# KiCad board arena_10_of_10_v1r1.kicad_pcb (continued)
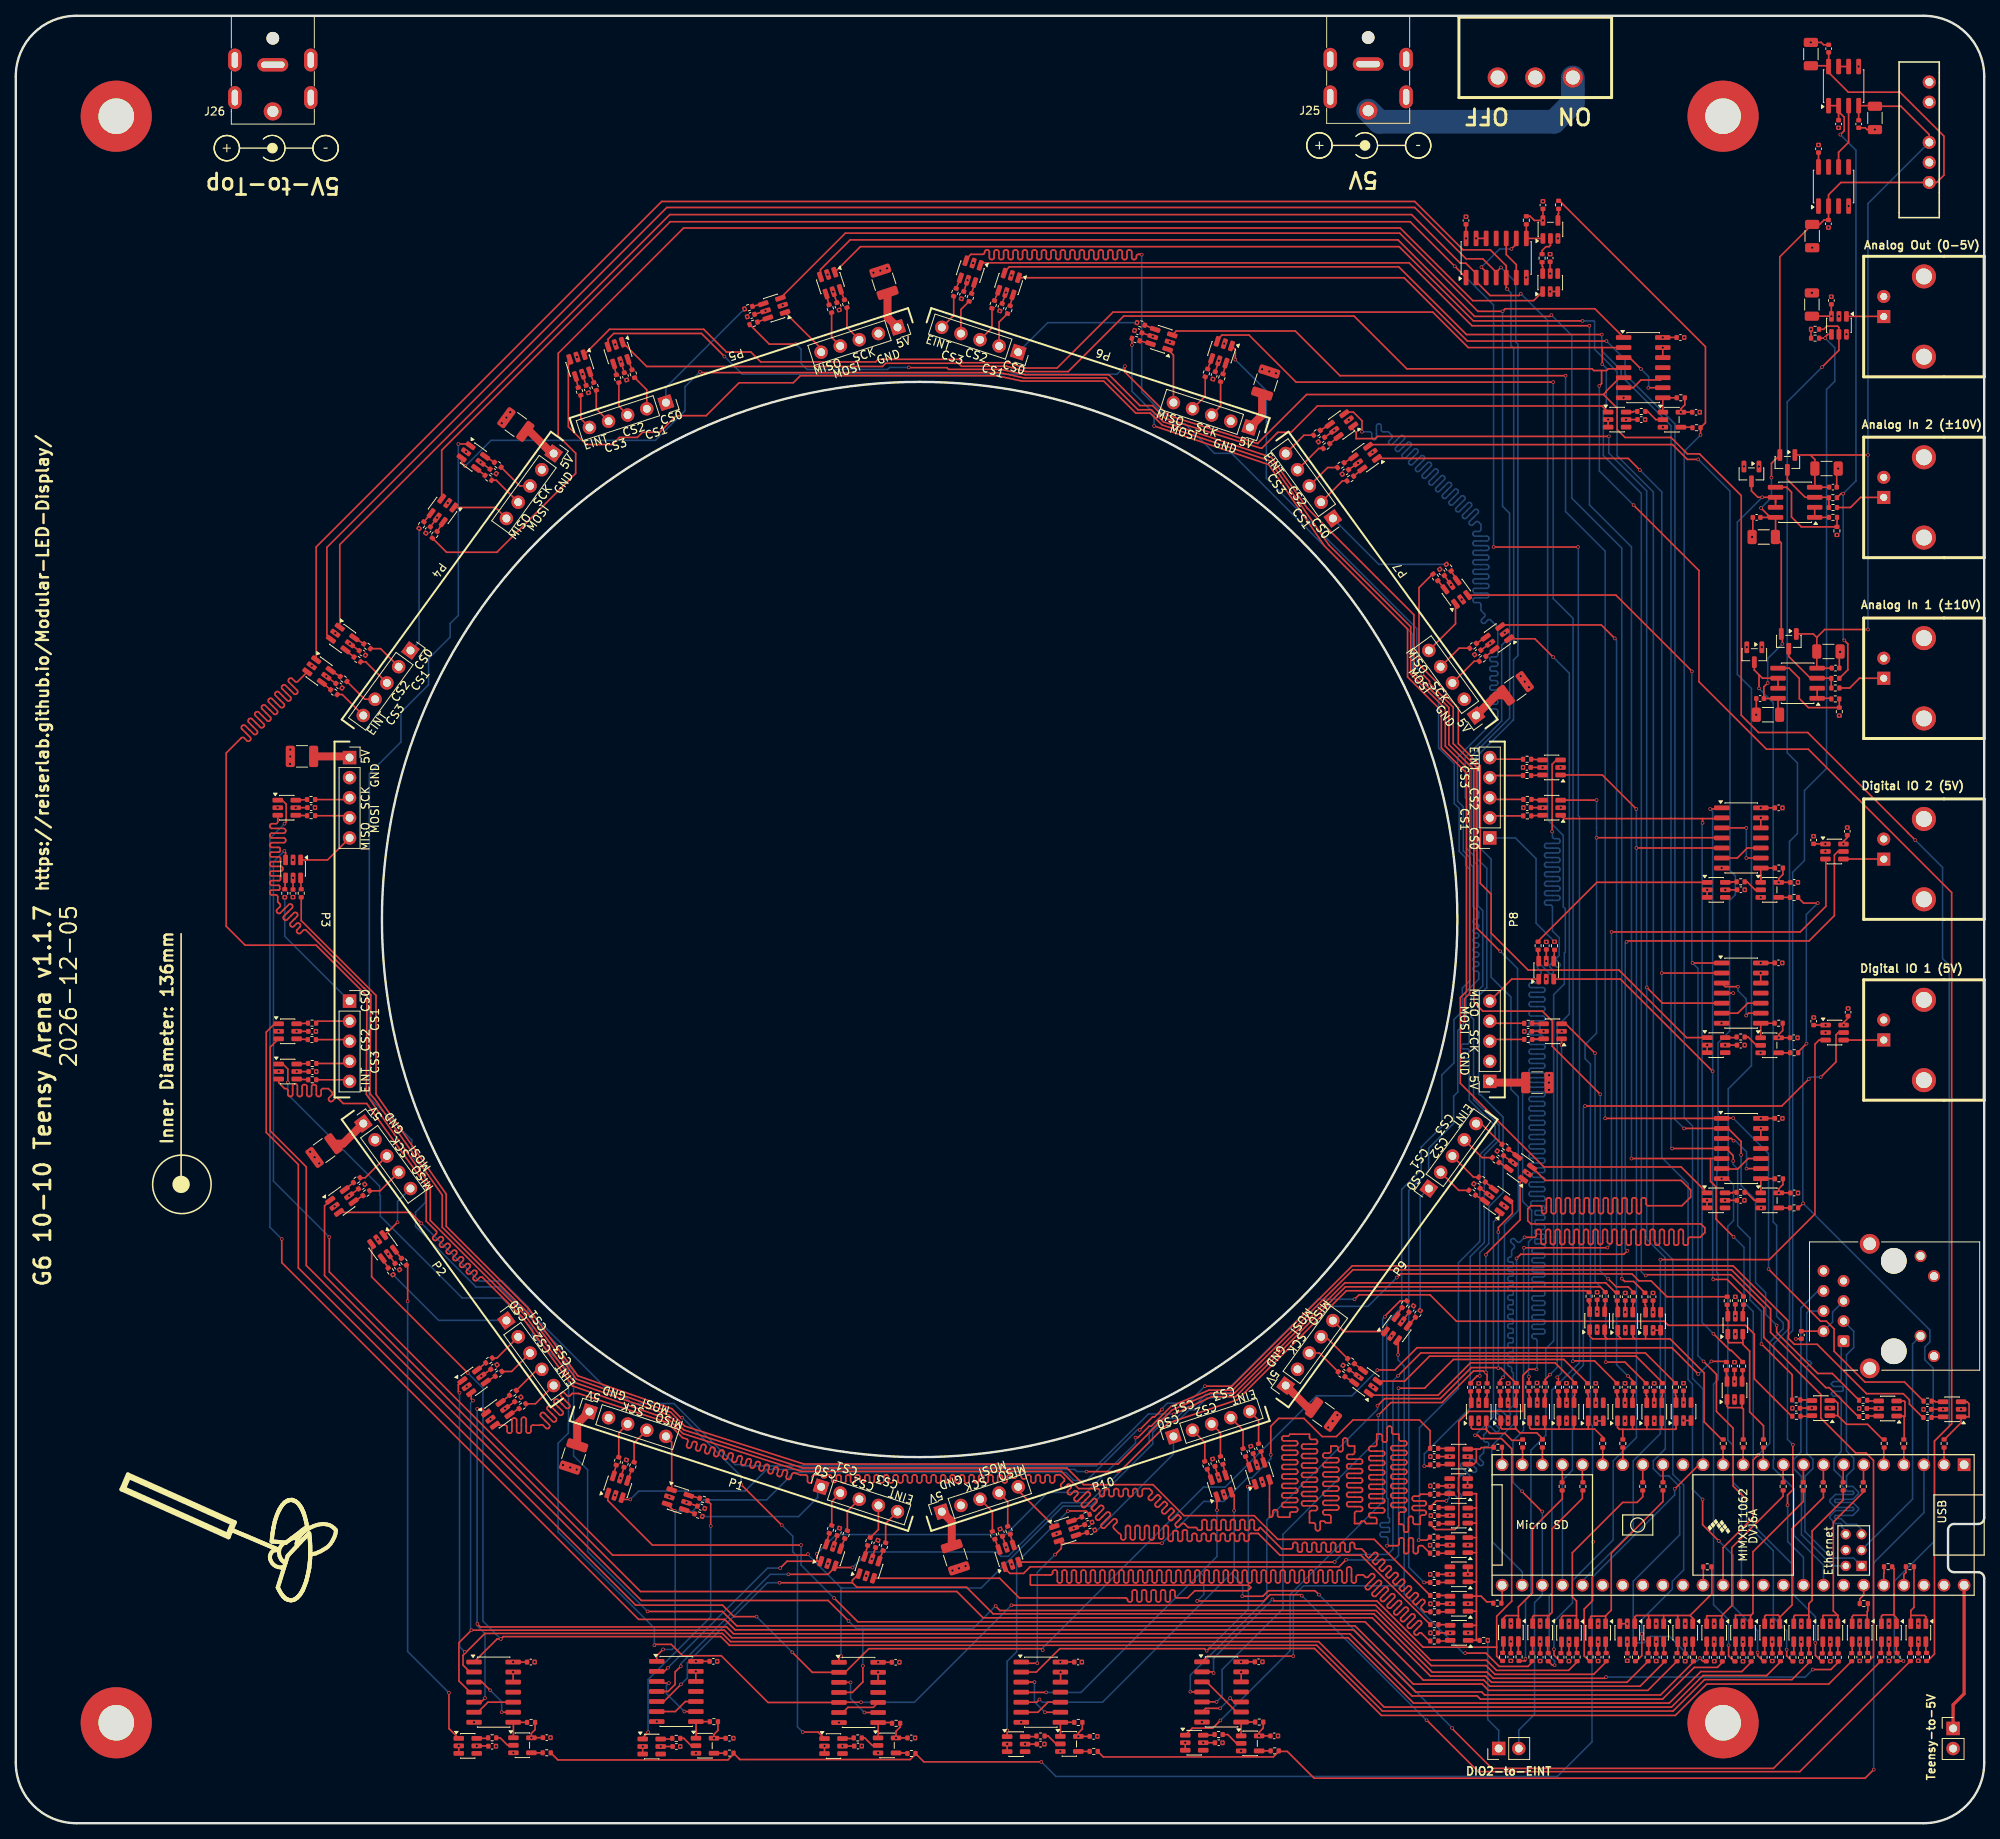
[diagram p0: board, top side]
## Routing (per net, layer and track width the routed paths; a pad name or vN(x,y) marks a point on that pad's centre or on a via; arc(x,y) is an arc through that point) (continued)
/Fan Out/PAN.EINT_P10: length 264.9
  Top w0.2: U81.3 158.54,38.7 158.72,38.7 arc(158.89,38.77) 158.96,38.94 158.96,39.41 arc(159.03,39.58) 159.2,39.65 159.32,39.65 arc(159.49,39.58) 159.56,39.41 159.56,38.94 arc(159.63,38.77) 159.8,38.7 161.1,38.7 161.1,39.12 arc(161.17,39.29) 161.34,39.36 161.86,39.36 arc(162.03,39.43) 162.1,39.6 162.1,39.72 arc(162.03,39.89) 161.86,39.96 160.34,39.96 arc(160.17,40.03) 160.1,40.2 160.1,40.32 arc(160.17,40.49) 160.34,40.56 161.86,40.56 arc(162.03,40.63) 162.1,40.8 162.1,40.92 arc(162.03,41.09) 161.86,41.16 160.34,41.16 arc(160.17,41.23) 160.1,41.4 160.1,41.52 arc(160.17,41.69) 160.34,41.76 161.86,41.76 arc(162.03,41.83) 162.1,42 162.1,42.12 arc(162.03,42.29) 161.86,42.36 160.34,42.36 arc(160.17,42.43) 160.1,42.6 160.1,42.72 arc(160.17,42.89) 160.34,42.96 161.86,42.96 arc(162.03,43.03) 162.1,43.2 162.1,43.32 arc(162.03,43.49) 161.86,43.56 160.34,43.56 arc(160.17,43.63) 160.1,43.8 160.1,43.92 arc(160.17,44.09) 160.34,44.16 161.86,44.16 arc(162.03,44.23) 162.1,44.4 162.1,44.52 arc(162.03,44.69) 161.86,44.76 160.34,44.76 arc(160.17,44.83) 160.1,45 160.1,45.12 arc(160.17,45.29) 160.34,45.36 161.86,45.36 arc(162.03,45.43) 162.1,45.6 162.1,45.72 arc(162.03,45.89) 161.86,45.96 160.34,45.96 arc(160.17,46.03) 160.1,46.2 160.1,46.32 arc(160.17,46.49) 160.34,46.56 161.86,46.56 arc(162.03,46.63) 162.1,46.8 162.1,46.92 arc(162.03,47.09) 161.86,47.16 160.34,47.16 arc(160.17,47.23) 160.1,47.4 160.1,47.52 arc(160.17,47.69) 160.34,47.76 161.86,47.76 arc(162.03,47.83) 162.1,48 162.1,48.12 arc(162.03,48.29) 161.86,48.36 160.34,48.36 arc(160.17,48.43) 160.1,48.6 160.1,48.72 arc(160.17,48.89) 160.34,48.96 160.86,48.96 arc(161.03,49.03) 161.1,49.2 163.6,49.2 163.6,48.78 arc(163.67,48.61) 163.84,48.54 164.36,48.54 arc(164.53,48.47) 164.6,48.3 164.6,48.18 arc(164.53,48.01) 164.36,47.94 162.84,47.94 arc(162.67,47.87) 162.6,47.7 162.6,47.58 arc(162.67,47.41) 162.84,47.34 164.36,47.34 arc(164.53,47.27) 164.6,47.1 164.6,46.98 arc(164.53,46.81) 164.36,46.74 162.84,46.74 arc(162.67,46.67) 162.6,46.5 162.6,46.38 arc(162.67,46.21) 162.84,46.14 164.36,46.14 arc(164.53,46.07) 164.6,45.9 164.6,45.78 arc(164.53,45.61) 164.36,45.54 162.84,45.54 arc(162.67,45.47) 162.6,45.3 162.6,45.18 arc(162.67,45.01) 162.84,44.94 164.36,44.94 arc(164.53,44.87) 164.6,44.7 164.6,44.58 arc(164.53,44.41) 164.36,44.34 162.84,44.34 arc(162.67,44.27) 162.6,44.1 162.6,43.98 arc(162.67,43.81) 162.84,43.74 164.36,43.74 arc(164.53,43.67) 164.6,43.5 164.6,43.38 arc(164.53,43.21) 164.36,43.14 162.84,43.14 arc(162.67,43.07) 162.6,42.9 162.6,42.78 arc(162.67,42.61) 162.84,42.54 164.36,42.54 arc(164.53,42.47) 164.6,42.3 164.6,42.18 arc(164.53,42.01) 164.36,41.94 162.84,41.94 arc(162.67,41.87) 162.6,41.7 162.6,41.58 arc(162.67,41.41) 162.84,41.34 164.36,41.34 arc(164.53,41.27) 164.6,41.1 164.6,40.98 arc(164.53,40.81) 164.36,40.74 162.84,40.74 arc(162.67,40.67) 162.6,40.5 162.6,40.38 arc(162.67,40.21) 162.84,40.14 164.36,40.14 arc(164.53,40.07) 164.6,39.9 164.6,39.78 arc(164.53,39.61) 164.36,39.54 163.84,39.54 arc(163.67,39.47) 163.6,39.3 163.6,38 164.11,38 arc(164.28,37.93) 164.35,37.76 164.35,37.24 arc(164.42,37.07) 164.59,37 164.71,37 arc(164.88,37.07) 164.95,37.24 164.95,38.1 arc(164.98,38.17) 165.05,38.2 165.45,38.2 arc(165.52,38.17) 165.55,38.1 arc(165.58,38.03) 165.65,38 166.3,38 166.3,38.77 arc(166.23,38.94) 166.06,39.01 165.54,39.01 arc(165.37,39.08) 165.3,39.25 165.3,39.37 arc(165.37,39.54) 165.54,39.61 167.06,39.61 arc(167.23,39.68) 167.3,39.85 167.3,39.97 arc(167.23,40.14) 167.06,40.21 165.54,40.21 arc(165.37,40.28) 165.3,40.45 165.3,40.57 arc(165.37,40.74) 165.54,40.81 167.06,40.81 arc(167.23,40.88) 167.3,41.05 167.3,41.17 arc(167.23,41.34) 167.06,41.41 165.54,41.41 arc(165.37,41.48) 165.3,41.65 165.3,41.77 arc(165.37,41.94) 165.54,42.01 167.06,42.01 arc(167.23,42.08) 167.3,42.25 167.3,42.37 arc(167.23,42.54) 167.06,42.61 165.54,42.61 arc(165.37,42.68) 165.3,42.85 165.3,42.97 arc(165.37,43.14) 165.54,43.21 167.06,43.21 arc(167.23,43.28) 167.3,43.45 167.3,43.57 arc(167.23,43.74) 167.06,43.81 165.54,43.81 arc(165.37,43.88) 165.3,44.05 165.3,44.17 arc(165.37,44.34) 165.54,44.41 167.06,44.41 arc(167.23,44.48) 167.3,44.65 167.3,44.77 arc(167.23,44.94) 167.06,45.01 165.54,45.01 arc(165.37,45.08) 165.3,45.25 165.3,45.37 arc(165.37,45.54) 165.54,45.61 167.06,45.61 arc(167.23,45.68) 167.3,45.85 167.3,45.97 arc(167.23,46.14) 167.06,46.21 165.54,46.21 arc(165.37,46.28) 165.3,46.45 165.3,46.57 arc(165.37,46.74) 165.54,46.81 166.06,46.81 arc(166.23,46.88) 166.3,47.05 166.3,47.7 166.97,47.7 arc(167.14,47.63) 167.21,47.46 167.21,47.24 arc(167.28,47.07) 167.45,47 167.57,47 arc(167.74,47.07) 167.81,47.24 167.81,48.46 arc(167.88,48.63) 168.05,48.7 168.17,48.7 arc(168.34,48.63) 168.41,48.46 168.41,47.94 arc(168.48,47.77) 168.65,47.7 169.3,47.7 169.3,46.88 arc(169.23,46.71) 169.06,46.64 168.54,46.64 arc(168.37,46.57) 168.3,46.4 168.3,46.28 arc(168.37,46.11) 168.54,46.04 170.06,46.04 arc(170.23,45.97) 170.3,45.8 170.3,45.68 arc(170.23,45.51) 170.06,45.44 168.54,45.44 arc(168.37,45.37) 168.3,45.2 168.3,45.08 arc(168.37,44.91) 168.54,44.84 170.06,44.84 arc(170.23,44.77) 170.3,44.6 170.3,44.48 arc(170.23,44.31) 170.06,44.24 168.54,44.24 arc(168.37,44.17) 168.3,44 168.3,43.88 arc(168.37,43.71) 168.54,43.64 170.06,43.64 arc(170.23,43.57) 170.3,43.4 170.3,43.28 arc(170.23,43.11) 170.06,43.04 168.54,43.04 arc(168.37,42.97) 168.3,42.8 168.3,42.68 arc(168.37,42.51) 168.54,42.44 170.06,42.44 arc(170.23,42.37) 170.3,42.2 170.3,42.08 arc(170.23,41.91) 170.06,41.84 168.54,41.84 arc(168.37,41.77) 168.3,41.6 168.3,41.48 arc(168.37,41.31) 168.54,41.24 170.06,41.24 arc(170.23,41.17) 170.3,41 170.3,40.88 arc(170.23,40.71) 170.06,40.64 168.54,40.64 arc(168.37,40.57) 168.3,40.4 168.3,40.28 arc(168.37,40.11) 168.54,40.04 170.06,40.04 arc(170.23,39.97) 170.3,39.8 170.3,39.68 arc(170.23,39.51) 170.06,39.44 169.54,39.44 arc(169.37,39.37) 169.3,39.2 169.3,37.9 169.9,37.9 arc(170.01,37.94) 170.05,38.05 arc(170.09,38.16) 170.2,38.2 170.5,38.2 arc(170.61,38.16) 170.65,38.05 arc(170.69,37.94) 170.8,37.9 172.1,37.9 172.1,38.42 arc(172.03,38.59) 171.86,38.66 171.34,38.66 arc(171.17,38.73) 171.1,38.9 171.1,39.02 arc(171.17,39.19) 171.34,39.26 172.86,39.26 arc(173.03,39.33) 173.1,39.5 173.1,39.62 arc(173.03,39.79) 172.86,39.86 171.34,39.86 arc(171.17,39.93) 171.1,40.1 171.1,40.22 arc(171.17,40.39) 171.34,40.46 172.86,40.46 arc(173.03,40.53) 173.1,40.7 173.1,40.82 arc(173.03,40.99) 172.86,41.06 171.34,41.06 arc(171.17,41.13) 171.1,41.3 171.1,41.42 arc(171.17,41.59) 171.34,41.66 172.86,41.66 arc(173.03,41.73) 173.1,41.9 173.1,42.02 arc(173.03,42.19) 172.86,42.26 171.34,42.26 arc(171.17,42.33) 171.1,42.5 171.1,42.62 arc(171.17,42.79) 171.34,42.86 172.86,42.86 arc(173.03,42.93) 173.1,43.1 173.1,43.22 arc(173.03,43.39) 172.86,43.46 171.34,43.46 arc(171.17,43.53) 171.1,43.7 171.1,43.82 arc(171.17,43.99) 171.34,44.06 172.86,44.06 arc(173.03,44.13) 173.1,44.3 173.1,44.42 arc(173.03,44.59) 172.86,44.66 171.34,44.66 arc(171.17,44.73) 171.1,44.9 171.1,45.02 arc(171.17,45.19) 171.34,45.26 172.86,45.26 arc(173.03,45.33) 173.1,45.5 173.1,45.62 arc(173.03,45.79) 172.86,45.86 171.34,45.86 arc(171.17,45.93) 171.1,46.1 171.1,46.22 arc(171.17,46.39) 171.34,46.46 172.86,46.46 arc(173.03,46.53) 173.1,46.7 173.1,46.82 arc(173.03,46.99) 172.86,47.06 171.34,47.06 arc(171.17,47.13) 171.1,47.3 171.1,47.42 arc(171.17,47.59) 171.34,47.66 171.86,47.66 arc(172.03,47.73) 172.1,47.9 172.1,49.2 172.57,49.2 arc(172.74,49.13) 172.81,48.96 172.81,48.44 arc(172.88,48.27) 173.05,48.2 173.17,48.2 arc(173.34,48.27) 173.41,48.44 173.41,49.96 arc(173.48,50.13) 173.65,50.2 173.77,50.2 arc(173.94,50.13) 174.01,49.96 174.01,49.44 arc(174.08,49.27) 174.25,49.2 174.9,49.2 174.9,48.58 arc(174.97,48.41) 175.14,48.34 175.66,48.34 arc(175.83,48.27) 175.9,48.1 175.9,47.98 arc(175.83,47.81) 175.66,47.74 174.14,47.74 arc(173.97,47.67) 173.9,47.5 173.9,47.38 arc(173.97,47.21) 174.14,47.14 175.66,47.14 arc(175.83,47.07) 175.9,46.9 175.9,46.78 arc(175.83,46.61) 175.66,46.54 174.14,46.54 arc(173.97,46.47) 173.9,46.3 173.9,46.18 arc(173.97,46.01) 174.14,45.94 175.66,45.94 arc(175.83,45.87) 175.9,45.7 175.9,45.58 arc(175.83,45.41) 175.66,45.34 174.14,45.34 arc(173.97,45.27) 173.9,45.1 173.9,44.98 arc(173.97,44.81) 174.14,44.74 175.66,44.74 arc(175.83,44.67) 175.9,44.5 175.9,44.38 arc(175.83,44.21) 175.66,44.14 174.14,44.14 arc(173.97,44.07) 173.9,43.9 173.9,43.78 arc(173.97,43.61) 174.14,43.54 175.66,43.54 arc(175.83,43.47) 175.9,43.3 175.9,43.18 arc(175.83,43.01) 175.66,42.94 174.14,42.94 arc(173.97,42.87) 173.9,42.7 173.9,42.58 arc(173.97,42.41) 174.14,42.34 175.66,42.34 arc(175.83,42.27) 175.9,42.1 175.9,41.98 arc(175.83,41.81) 175.66,41.74 174.14,41.74 arc(173.97,41.67) 173.9,41.5 173.9,41.38 arc(173.97,41.21) 174.14,41.14 175.66,41.14 arc(175.83,41.07) 175.9,40.9 175.9,40.78 arc(175.83,40.61) 175.66,40.54 174.14,40.54 arc(173.97,40.47) 173.9,40.3 173.9,40.18 arc(173.97,40.01) 174.14,39.94 175.56,39.94 arc(175.73,39.87) 175.8,39.7 175.8,39.58 arc(175.73,39.41) 175.56,39.34 175.14,39.34 arc(174.97,39.27) 174.9,39.1 174.9,37.8 175.27,37.8 arc(175.44,37.73) 175.51,37.56 175.51,37.04 arc(175.58,36.87) 175.75,36.8 175.87,36.8 arc(176.04,36.87) 176.11,37.04 176.11,38.56 arc(176.18,38.73) 176.35,38.8 176.47,38.8 arc(176.64,38.73) 176.71,38.56 176.71,38.04 arc(176.78,37.87) 176.95,37.8 177.6,37.8 177.6,38.72 arc(177.67,38.89) 177.84,38.96 178.11,38.96 arc(178.28,39.03) 178.35,39.2 178.35,39.32 arc(178.28,39.49) 178.11,39.56 176.84,39.56 arc(176.67,39.63) 176.6,39.8 176.6,39.92 arc(176.67,40.09) 176.84,40.16 178.11,40.16 arc(178.28,40.23) 178.35,40.4 178.35,40.52 arc(178.28,40.69) 178.11,40.76 176.84,40.76 arc(176.67,40.83) 176.6,41 176.6,41.12 arc(176.67,41.29) 176.84,41.36 177.36,41.36 arc(177.53,41.43) 177.6,41.6 178.87,41.6 R92.2
/Fan Out/PAN.MISO_B0_P1: length 33.9
  Top w0.2: U90.1 79.28,10.82 v1(79.96,11.5) ; R98.2 87.88,40.37 v1(87.88,37.6)
  Bottom w0.2: v1(87.88,37.6) 87.88,26.08 79.96,18.16 v1(79.96,11.5)
/Fan Out/PAN.MISO_B0_P2: length 62.6
  Top w0.2: v1(49.55,66) 49.55,70.43 R106.2 ; U93.1 54.78,11.97 v1(54.78,16.49)
  Bottom w0.2: v1(54.78,16.49) 49.55,21.72 v1(49.55,66)
/Fan Out/PAN.MISO_B0_P3: length 137.2
  Top w0.2: v1(99.52,11.52) 101.45,11.52 U97.1 ; v1(84.25,51.3) 84.07,51.3 82.95,52.43 71.07,56.58 71.01,56.66 64.93,65 54.42,75.5 54.42,79.58 45.55,92.2 45.55,104.7 36.09,114.16 R114.2 ; v1(96.86,37.69) v1(91.74,42.81)
  Bottom w0.2: v1(96.86,37.69) 98.25,36.3 98.25,34.33 98.85,33.73 98.85,12.19 v1(99.52,11.52) ; v1(84.25,51.3) 84.3,51.3 91.74,43.86 v1(91.74,42.81)
/Fan Out/PAN.MISO_B0_P4: length 174.5
  Top w0.2: U101.1 191.94,192.58 184.25,192.58 175.06,201.76 84.44,201.76 68.59,185.91 68.59,175.49 70.8,173.28 70.8,170.73 60.9,160.83 60.9,160.75 54.47,160.75 R122.2
/Fan Out/PAN.MISO_B0_P5: length 117.6
  Top w0.2: v1(112.93,184.13) 112.95,184.1 117.75,184.1 117.97,183.88 124.6,183.88 127.65,183.2 138.25,183.2 142.15,179.3 143.75,179.3 145.4,177.65 157.4,173.93 157.59,173.93 159.57,175.91 161.27,175.91 164.6,179.25 200.59,179.25 U105.1 ; v1(98.65,187.08) 95.28,187.08 R130.2
  Bottom w0.2: v1(98.65,187.08) 99.3,186.43 99.3,184.65 100.07,183.88 110.25,183.88 110.5,184.13 v1(112.93,184.13)
/Fan Out/PAN.MISO_B1_P6: length 152.7
  Top w0.2: R138.2 v1(141.14,186.95) ; v1(143.95,176.73) 158.44,171.83 165.51,161.53 176,151.04 176,144.98 180.28,140.7 180.28,136 183.45,132.83 183.45,105.2 182.68,104.43 182.68,93.58 193.25,83 210.6,83 U109.1
  Bottom w0.2: v1(143.95,176.73) 143.95,178.3 141.14,181.11 v1(141.14,186.95)
/Fan Out/PAN.MISO_B1_P7: length 82.8
  Top w0.2: R146.2 179.17,158 177.45,156.28 177.45,146.55 180.82,143.18 180.82,142.67 182.12,141.38 182.12,141.38 182.43,141.08 182.43,136.53 185.2,133.75 185.2,118.87 186.57,117.5 186.57,112.58 191.25,107.9 202.74,107.9 211.28,99.36 U113.1
/Fan Out/PAN.MISO_B1_P8: length 24.5
  Top w0.2: U117.1 199.94,119 192.51,111.56 R154.2
/Fan Out/PAN.MISO_B1_P9: length 68.6
  Top w0.2: 147.88,11.13 148.78,12.02 151.36,12.02 v1(152.33,13) ; R162.2 175.05,66.06 173.13,64.14 v1(173.13,64.06)
  Bottom w0.2: v1(173.13,64.06) 172.85,63.79 172.85,40.63 161.14,28.92 161.14,21.81 v1(152.33,13)
/Fan Out/PAN.MISO_B1_P10: length 34.6
  Top w0.2: R170.2 135.36,39.49 133.08,39.49 v1(133.04,39.46) ; v1(125.36,11.73) U125.1
  Bottom w0.2: v1(133.04,39.46) 126.56,32.98 126.56,21.68 125.36,20.48 v1(125.36,11.73)
/Fan Out/PAN.MOSI_B0_P1: length 133.5
  Top w0.2: 138.97,44.47 139.57,44.47 ; 138.97,44.47 139.59,44.47 145.75,50.63 154.47,53.55 168.27,67.34 198.76,67.34 198.95,67.16 ; 138.97,44.47 v1(135.4,44.47) ; v1(77.71,40.95) 77.7,40.95 76.89,40.95 U42.3
  Bottom w0.2: v1(77.71,40.95) 78.77,42 92.21,42 94.96,44.75 133.91,44.75 134.19,44.47 v1(135.4,44.47)
/Fan Out/PAN.MOSI_B0_P2: length 182.9
  Top w0.2: R34.2 201,67.2 200.36,67.85 168.15,67.85 154.25,53.95 151.25,53.95 v1(146.43,51.73) ; U46.3 49.89,77.26 v1(51.27,75.88)
  Bottom w0.2: v1(146.43,51.73) 146.4,51.75 143.22,51.75 136.66,45.19 91.83,45.19 91.68,45.35 90.95,45.35 83.22,53.08 77.88,53.08 77.12,53.83 75.82,53.83 64.75,64.9 64.75,65.3 61.48,68.57 58.59,68.57 51.29,75.88 v1(51.27,75.88)
/Fan Out/PAN.MOSI_B0_P3: length 259.6
  Top w0.2: R35.2 202.29,67.12 201.06,68.35 168.07,68.35 154.1,54.38 151.05,54.38 146.2,52.25 139.38,45.43 99.65,45.43 84.58,50.22 82.82,51.98 70.88,56.18 64.74,64.56 53.92,75.38 53.92,79.45 45.38,91.58 44.78,92.28 44.9,104.78 44.05,105.63 44.03,105.63 36.7,112.95 arc(36.54,113.02) 36.37,112.95 36,112.58 arc(35.83,112.51) 35.66,112.58 35.57,112.66 arc(35.5,112.83) 35.57,113 35.94,113.37 arc(36.01,113.54) 35.94,113.71 35.86,113.79 arc(35.69,113.86) 35.52,113.79 35.15,113.43 arc(34.98,113.36) 34.81,113.43 34.72,113.51 arc(34.65,113.68) 34.72,113.85 35.59,114.71 arc(35.66,114.88) 35.59,115.05 35.5,115.14 arc(35.33,115.21) 35.16,115.14 34.3,114.27 arc(34.13,114.2) 33.96,114.27 33.88,114.36 arc(33.81,114.53) 33.88,114.7 34.95,115.77 arc(35.02,115.94) 34.95,116.11 34.87,116.2 arc(34.7,116.27) 34.53,116.2 33.45,115.12 arc(33.28,115.05) 33.11,115.12 33.03,115.21 arc(32.96,115.38) 33.03,115.55 33.4,115.92 arc(33.47,116.08) 33.4,116.25 33.12,116.53 33.12,117.18 arc(33.05,117.35) 32.88,117.42 32.36,117.42 arc(32.19,117.49) 32.12,117.66 32.12,117.78 arc(32.19,117.95) 32.36,118.02 33.25,118.02 arc(33.34,118.05) 33.37,118.14 33.37,118.49 arc(33.34,118.58) 33.25,118.62 32.36,118.62 arc(32.19,118.69) 32.12,118.86 32.12,118.98 arc(32.19,119.15) 32.36,119.22 33.3,119.22 arc(33.42,119.27) 33.47,119.39 33.47,119.64 arc(33.42,119.77) 33.3,119.82 32.36,119.82 arc(32.19,119.89) 32.12,120.06 32.12,120.18 arc(32.19,120.35) 32.36,120.42 33.53,120.42 arc(33.7,120.49) 33.77,120.66 33.77,120.78 arc(33.7,120.95) 33.53,121.02 32.36,121.02 arc(32.19,121.09) 32.12,121.26 32.12,121.38 arc(32.19,121.55) 32.36,121.62 33.3,121.62 arc(33.42,121.67) 33.47,121.79 33.47,122.04 arc(33.42,122.17) 33.3,122.22 32.36,122.22 arc(32.19,122.29) 32.12,122.46 32.12,122.58 arc(32.19,122.75) 32.36,122.82 33.27,122.82 arc(33.38,122.86) 33.42,122.97 33.42,123.27 arc(33.38,123.37) 33.27,123.42 32.36,123.42 arc(32.19,123.49) 32.12,123.66 32.12,123.78 arc(32.19,123.95) 32.36,124.02 33.88,124.02 arc(34.05,124.09) 34.12,124.26 34.12,124.38 arc(34.05,124.55) 33.88,124.62 32.36,124.62 arc(32.19,124.69) 32.12,124.86 32.12,124.98 arc(32.19,125.15) 32.36,125.22 33.88,125.22 arc(34.05,125.29) 34.12,125.46 34.12,125.58 arc(34.05,125.75) 33.88,125.82 32.36,125.82 arc(32.19,125.89) 32.12,126.06 32.12,126.18 arc(32.19,126.35) 32.36,126.42 32.88,126.42 arc(33.05,126.49) 33.12,126.66 U50.3
/Fan Out/PAN.MOSI_B0_P4: length 242.5
  Top w0.2: v1(200.37,92.19) 194.3,98.27 194.3,101.46 193.05,102.71 185.51,102.71 184.38,103.85 184.38,133.28 181.22,136.43 181.22,141.1 176.8,145.53 176.8,152.84 163.28,166.36 158.78,172.75 145.12,177.25 143.6,178.78 141.91,178.78 137.88,182.8 127.5,182.8 124.4,183.48 86.61,183.48 v1(86.52,183.57) ; v1(56.83,171.63) 56.38,172.08 U54.3 ; v1(201.35,68.87) 202.39,67.83 203.91,67.83 204.55,67.19 R36.2
  Bottom w0.2: v1(86.52,183.57) 84.62,181.68 84.62,178.65 80.88,174.9 60.1,174.9 v1(56.83,171.63) ; v1(201.35,68.87) 200.37,69.85 v1(200.37,92.19)
/Fan Out/PAN.MOSI_B0_P5: length 228.2
  Top w0.2: U58.3 101.76,196.51 105.51,200.26 174.79,200.26 184.47,190.58 194.02,190.58 v1(194.19,190.75) ; R37.2 204.58,68.52 203.44,68.52 v1(203.09,68.88)
  Bottom w0.2: v1(194.19,190.75) 196.77,188.17 196.77,167.59 203.09,161.27 v1(203.09,68.88)
/Fan Out/PAN.MOSI_B1_P6: length 177.2
  Top w0.2: R43.2 199.64,58.48 196.95,58.48 v1(196.9,58.43) ; v1(194.41,182.26) 161.9,182.26 155.95,188.22 152.52,188.22 151.93,187.63 U62.3
  Bottom w0.2: v1(194.41,182.26) 194.41,154.89 196.93,152.38 196.93,58.49 196.99,58.43 v1(196.9,58.43)
/Fan Out/PAN.MOSI_B1_P7: length 110.4
  Top w0.2: U66.3 187.94,151.56 200.5,151.56 v1(202.21,149.85) ; v1(203.86,56.56) 204.54,55.89 R44.2
  Bottom w0.2: v1(203.86,56.56) 202.43,57.99 202.43,149.63 v1(202.21,149.85)
/Fan Out/PAN.MOSI_B1_P8: length 51.6
  Top w0.2: v1(201.06,58.32) 203.49,58.32 R45.2 ; v1(199.71,97.39) 195.99,101.11 U70.3
  Bottom w0.2: v1(199.71,97.39) 199.71,68.53 201.06,67.18 v1(201.06,58.32)
/Fan Out/PAN.MOSI_B1_P9: length 38.8
  Top w0.2: U74.3 175.63,55.91 178.78,59.07 204.89,59.07 208.22,55.74 R46.2
/Fan Out/PAN.MOSI_B1_P10: length 108.1
  Top w0.2: v1(174.8,56.6) 177.67,59.48 206.06,59.48 R47.2 ; U78.3 166.76,33.02 v1(166.79,33.05)
  Bottom w0.2: v1(174.8,56.6) 174.15,55.95 174.15,34.65 173.5,34 167.67,34 166.79,33.12 v1(166.79,33.05)
/Fan Out/PAN.SCK_B0_P1: length 147.1
  Top w0.2: v1(99.3,35.18) 80.5,35.18 74.86,40.81 U42.1 ; v1(103.47,28.48) 106.47,25.47 170.62,25.47 177.99,18.1 185.64,18.1 186.42,17.32 205.4,17.32 208.47,20.39 R28.2
  Bottom w0.2: v1(103.47,28.48) 99.3,32.64 v1(99.3,35.18)
/Fan Out/PAN.SCK_B0_P2: length 199.6
  Top w0.2: U46.1 39.04,78.08 39.04,69.26 79,29.3 119,29.3 122.32,25.98 171.53,25.98 178.91,18.6 185.85,18.6 186.63,17.82 203.76,17.82 R29.2
/Fan Out/PAN.SCK_B0_P3: length 263.7
  Top w0.2: R30.2 212.14,20.38 207.99,16.22 185.75,16.22 185.37,16.6 177.01,16.6 169.15,24.46 90.96,24.46 89.64,25.78 78.76,25.78 33.63,70.91 v1(33.63,73.89) ; v1(33.98,126.42) 34.19,126.63 34.19,128.89 33.69,129.39 U50.1
  Bottom w0.2: v1(33.98,126.42) 32.13,124.57 32.13,75.38 v1(33.63,73.89)
/Fan Out/PAN.SCK_B0_P4: length 307.1
  Top w0.2: U54.1 57.27,174.45 v1(55.96,174.45) ; v1(79.89,26.78) 89.35,26.78 91.17,24.96 169.36,24.96 176.72,17.6 185.43,17.6 186.23,16.8 206.38,16.8 R31.2
  Bottom w0.2: v1(79.89,26.78) 72.31,34.36 72.31,44.69 70.54,46.46 70.54,57.24 69.28,58.5 69.28,59.73 61.17,67.83 58.2,67.83 50.55,75.48 50.55,77.28 51.8,78.53 51.8,82.58 50.08,84.3 50.08,86.41 44.71,91.77 44.71,132.76 48.7,136.75 48.7,140.5 52.2,144 52.2,147.3 54.92,150.02 54.92,151.73 55.96,152.76 v1(55.96,174.45)
/Fan Out/PAN.SCK_B0_P5: length 278
  Top w0.2: v1(205.62,23.94) 205.62,21.19 204.92,20.49 R32.2 ; v1(198.12,190.01) 184.32,190.01 174.94,199.4 106.8,199.4 U58.1
  Bottom w0.2: v1(205.62,23.94) 205.62,25.74 209.48,29.6 209.48,30.6 210.92,32.04 210.92,42.76 209.55,44.13 209.55,71.27 207.08,73.74 207.08,168.37 202.49,172.96 202.49,183.57 199.65,186.42 199.65,189.92 199.56,190.01 v1(198.12,190.01)
/Fan Out/PAN.SCK_B1_P6: length 147.1
  Top w0.2: v1(191.35,56.49) R38.2 ; v1(177.88,145.35) 178.78,144.45 178.78,144.15 181.78,141.15 181.78,136.55 184.78,133.55 184.78,113.2 187.7,110.28 v1(187.72,110.28) ; U62.1 154.22,186.36 v1(154.22,185.11)
  Bottom w0.2: v1(187.72,110.28) 189.91,108.09 189.91,94.04 190.55,93.4 190.55,78.64 191.7,77.49 191.7,73.93 191.3,73.53 191.3,56.54 v1(191.35,56.49) ; v1(177.88,145.35) 177.88,145.38 177.18,146.08 177.18,151.08 158.15,170.1 158.15,181.18 v1(154.22,185.11)
/Fan Out/PAN.SCK_B1_P7: length 100.4
  Top w0.2: v1(194.41,147.49) 192.1,149.81 U66.1 ; R39.2 193.41,56.14 v1(194.02,56.74)
  Bottom w0.2: v1(194.41,147.49) 196.45,145.45 196.45,102.33 194.93,100.8 194.93,57.65 v1(194.02,56.74)
/Fan Out/PAN.SCK_B1_P8: length 43.8
  Top w0.2: U70.1 v1(195.48,98.42) ; R40.2 195.07,56.26 v1(194.94,56.4)
  Bottom w0.2: v1(195.48,98.42) 195.48,56.94 v1(194.94,56.4)
/Fan Out/PAN.SCK_B1_P9: length 28.9
  Top w0.2: 197.13,55.66 197.13,55.75 194.66,58.23 183.95,58.23 179.87,54.14 171.34,54.14 U74.1
/Fan Out/PAN.SCK_B1_P10: length 99
  Top w0.2: v1(168.23,33.33) 168.22,33.33 167.32,32.43 128.28,32.43 127.44,31.59 125.72,31.59 125.03,32.27 U78.1 ; R42.2 195.76,58.65 181.79,58.65 178.16,55.01 v1(174.86,55.01)
  Bottom w0.2: v1(168.23,33.33) 168.25,33.3 174.3,33.3 174.86,33.86 v1(174.86,55.01)
/Fan Out/TNY.CS_00: length 7.6
  Top w0.2: U16.3 246.76,53.3 247.01,53.05 247.01,51.4 U16.1 246,50.65 243.88,48.53 243.86,48.53 R1.1
/Fan Out/TNY.CS_01: length 6.9
  Top w0.2: 238.8,51.36 238.66,51.5 U17.1 ; 238.8,51.36 238.8,48.59 R2.1 ; 238.8,51.36 238.9,51.46 238.9,53.29 238.79,53.4 U17.3
/Fan Out/TNY.CS_02: length 10.8
  Top w0.2: 230.41,51.55 230.41,53.13 230.09,53.45 U18.3 ; 230.41,51.55 U18.1 ; 230.41,51.55 231.51,50.45 234.17,50.45 236.08,48.54 R3.1
/Fan Out/TNY.CS_03: length 21.6
  Top w0.2: 230.4,26.29 229.84,26.85 229.84,38.08 233.66,41.9 233.66,42.01 233.62,42.04 ; 230.4,26.29 230.42,26.28 230.42,25.22 ; 230.4,26.29 228.57,26.29 228.51,26.24 U19.3
/Fan Out/TNY.CS_04: length 21.6
  Top w0.2: 226.74,26.26 226.7,26.3 224.99,26.3 224.84,26.15 U20.3 ; 226.74,26.26 226.74,27.76 227.16,28.18 227.16,36.96 231.09,40.89 231.09,42.08 231.1,42.09 ; 226.74,26.26 226.74,26.11 ; 226.74,26.11 226.75,26.1 226.74,26.09 ; 226.74,26.11 226.74,26.09 ; 226.74,26.09 U20.1
/Fan Out/TNY.CS_05: length 22.2
  Top w0.2: 223.06,26.04 U21.1 ; 223.06,26.04 223.06,26.13 222.88,26.31 221.3,26.31 221.16,26.17 U21.3 ; 223.06,26.04 224.62,27.6 224.62,37.24 228.59,41.21 228.59,42 228.52,42.07
/Fan Out/TNY.CS_06: length 22.6
  Top w0.2: 226.05,42.09 226.05,40.7 219.68,34.33 219.68,26.54 219.38,26.24 ; 219.38,26.24 219.31,26.3 217.47,26.3 217.48,26.3 U22.3 ; 219.38,26.24 U22.1
/Fan Out/TNY.CS_07: length 23
  Top w0.2: R8.1 223.49,42.08 223.49,41.35 217,34.86 217,27.52 215.73,26.24 ; U23.3 213.82,26.19 213.88,26.24 215.73,26.24 ; 215.73,26.24 U23.1
/Fan Out/TNY.CS_08: length 17.3
  Top w0.2: U24.1 216.5,60.95 216.67,60.78 218.4,60.78 ; 218.4,60.78 U24.3 ; 218.4,60.78 218.4,60.56 219.26,59.7 219.26,52.02 221.01,50.27 221.01,48.55 R9.1
/Fan Out/TNY.CS_09: length 8
  Top w0.2: R10.1 218.47,48.56 218.47,52.38 218.3,52.55 ; 218.3,52.55 U25.3 ; 218.3,52.55 218.29,52.56 216.56,52.56 216.4,52.72 U25.1
/Fan Out/TNY.CS_10: length 22.7
  Top w0.2: R12.1 208.3,40.69 201.76,34.15 201.76,26.94 201.05,26.23 ; U26.3 199.15,26.1 199.24,26.19 201.01,26.19 201.05,26.23 ; 201.05,26.23 U26.1
/Fan Out/TNY.CS_11: length 24.7
  Top w0.2: 195.46,25.21 195.46,26.06 195.66,26.25 197.37,26.25 ; 197.37,26.25 197.37,28.11 196.84,28.63 196.84,34.21 203.2,40.57 205.02,40.57 205.74,41.29 R13.1 ; 197.37,26.25 U27.1
/Fan Out/TNY.CS_12: length 21.6
  Top w0.2: 198.18,42.04 198.11,41.98 198.11,41.08 194.27,37.24 194.27,26.65 193.88,26.26 193.71,26.26 ; U28.3 191.81,26.12 191.95,26.26 193.71,26.26 ; 193.71,26.26 U28.1
/Fan Out/TNY.CS_13: length 21.8
  Top w0.2: 190.01,26.23 190.02,26.23 190.01,26.24 ; 190.01,26.23 190.01,26.24 ; 190.01,26.23 U29.1 ; 190.01,26.24 190.01,27.36 191.79,29.13 191.79,37.24 195.57,41.02 195.57,42 195.55,42.02 ; 190.01,26.24 189.99,26.26 188.46,26.26 188.12,25.92 U29.3
/Fan Out/TNY.CS_14: length 7.9
  Top w0.2: 189.66,49.92 U30.3 ; 189.66,49.92 190.21,49.37 192.34,49.37 193.06,48.65 193.06,48.55 R18.1 ; 189.66,49.92 189.61,49.86 187.95,49.86 187.76,50.05 187.76,50.91
/Fan Out/TNY.CS_15: length 9.2
  Top w0.2: 185.95,49.77 U31.3 ; 185.95,49.77 186.38,49.34 186.38,49.3 188.32,49.3 189.2,48.42 190.44,48.42 R19.1 ; 185.95,49.77 185.89,49.83 184.23,49.83 184.05,50.01 U31.1
/Fan Out/TNY.CS_16: length 6.2
  Top w0.2: U32.1 184.37,45.42 184.7,45.75 184.7,47.32 ; R20.1 186.78,47.55 186.75,47.51 185.35,47.51 185.16,47.32 184.7,47.32 ; 184.7,47.32 183.61,47.32
/Fan Out/TNY.CS_17: length 10.2
  Top w0.2: R21.1 240.04,27.29 239.64,26.9 239.64,26.28 ; 239.64,26.28 241.37,26.28 241.55,26.1 241.55,26.1 U33.1 ; 239.64,26.28 239.64,25.23
/Fan Out/TNY.CS_18: length 10.1
  Top w0.2: 237.52,26.36 237.52,32.2 R22.1 ; 237.52,26.36 237.52,26.28 237.82,25.98 U34.1 ; 237.52,26.36 237.51,26.35 236.09,26.35 235.93,26.19 U34.3
/Fan Out/TNY.CS_19: length 5.5
  Top w0.2: U35.3 232.23,26.14 232.39,26.3 234.12,26.3 ; 234.12,26.3 234.12,26.79 234.21,26.87 R23.1 ; 234.12,26.3 U35.1
/Fan Out/TNY.EINT: length 32.3
  Top w0.2: 184.71,26.8 184.71,25.03 184.71,25.03 ; 184.71,26.8 184.7,26.81 U40.1 ; 184.71,26.8 184.71,28.71 ; U38.1 184.72,41.68 184.71,41.67 184.71,39.83 ; 184.71,25.03 U39.3 ; 184.71,25.03 184.71,23.13 184.71,23.12 ; 184.71,36.12 184.71,37.94 ; 184.71,36.12 184.71,34.24 ; 184.71,36.12 U36.3 ; 184.71,37.94 184.71,39.83 ; 184.71,37.94 184.69,37.96 183.62,37.96 ; 184.71,30.51 184.69,30.53 U41.1 ; 184.71,30.51 184.71,34.24 ; 184.71,30.51 184.71,28.71 ; 184.71,23.12 185.12,23.12 R216.2 ; 184.71,23.12 183.66,23.12 ; 184.71,39.83 184.69,39.86 183.62,39.86 ; 184.71,28.71 U40.3 ; 184.71,28.71 185.3,28.71 186.01,28 186.66,28 R25.1 ; 184.71,34.24 184.69,34.22 U36.1